# KiCad board pico_synth_sandbox.kicad_pcb (continued)
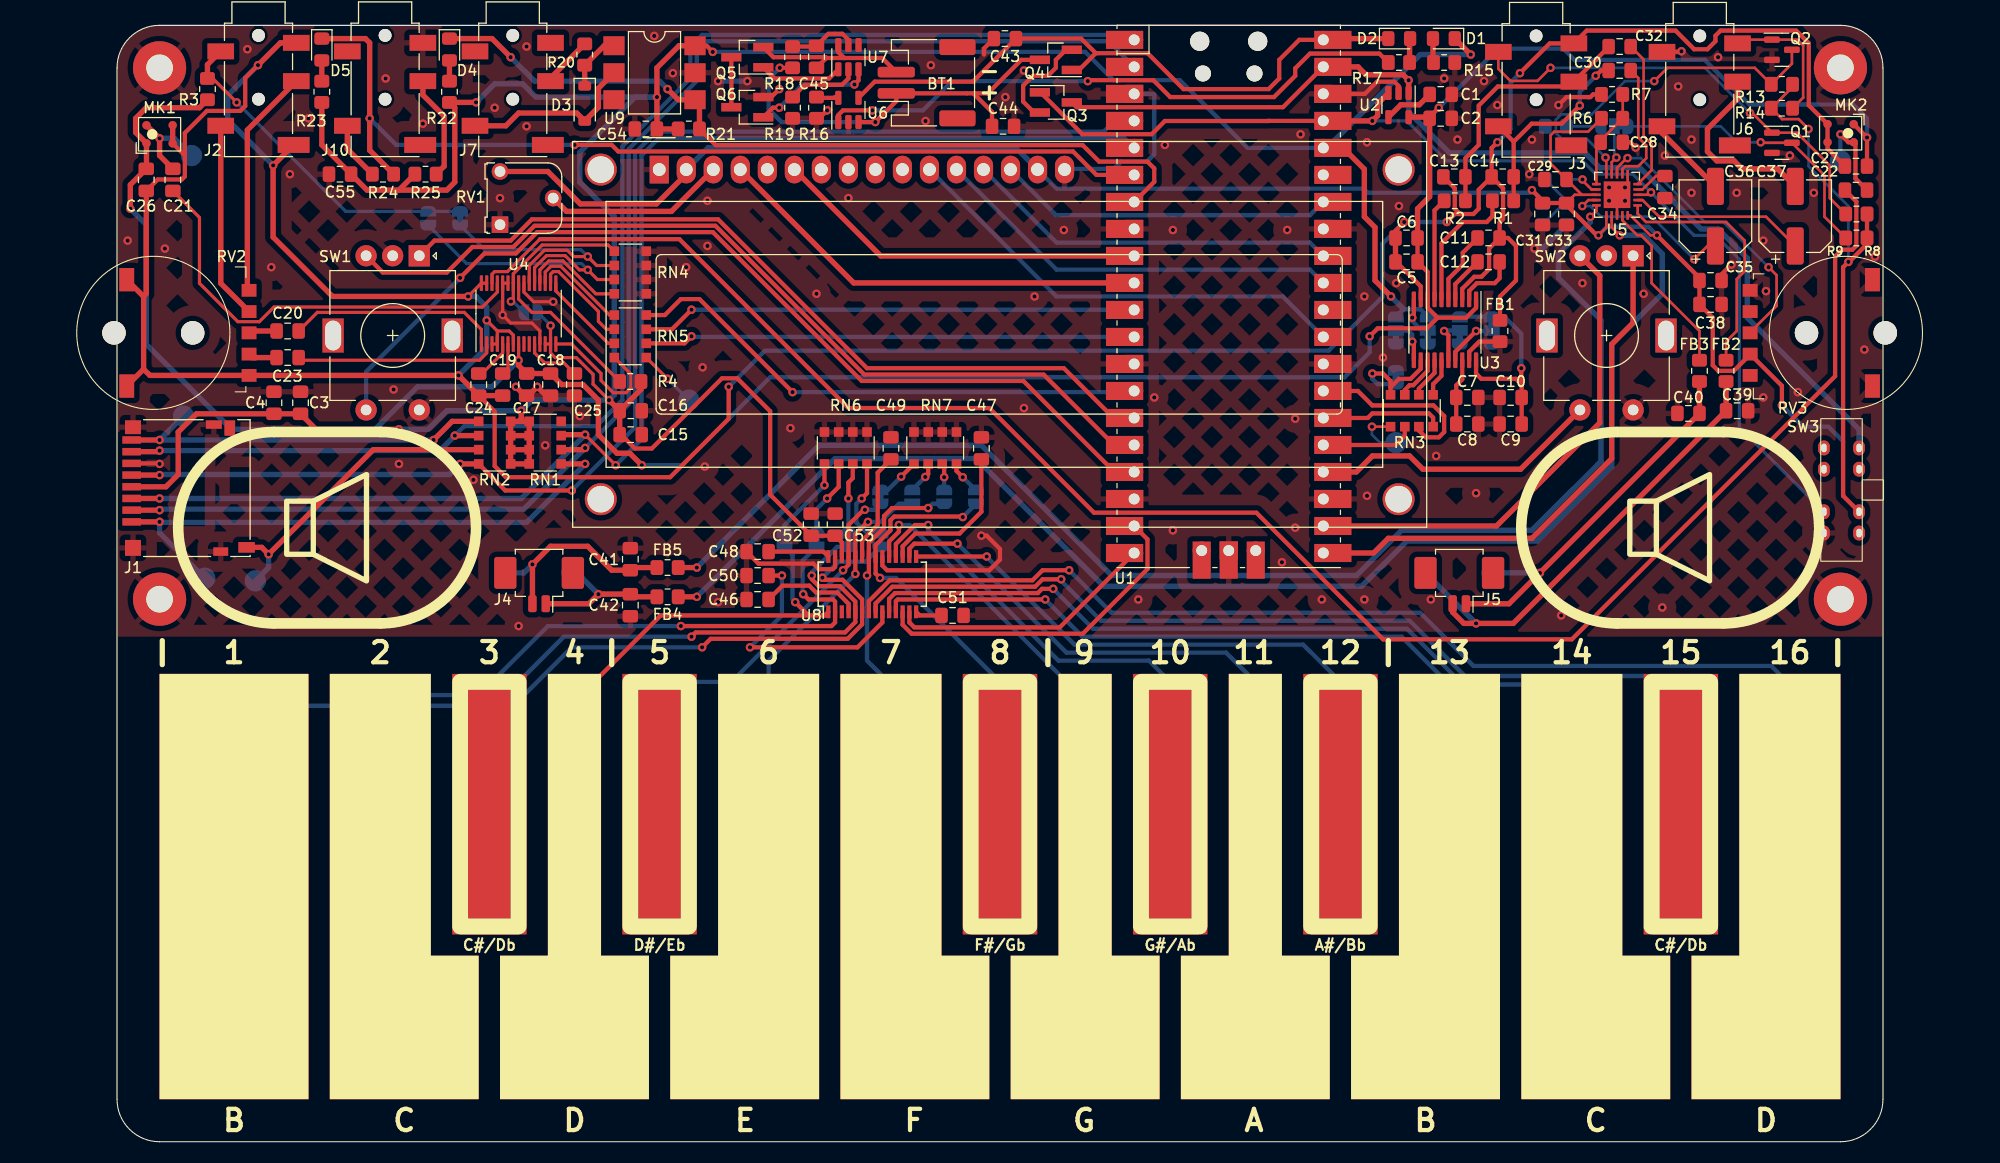
[diagram p0: board, top side]
## Routing (per net, layer and track width the routed paths; a pad name or vN(x,y) marks a point on that pad's centre or on a via; arc(x,y) is an arc through that point) (continued)
Net-(JP9-B): length 3.2
  Bottom w0.25: JP9.3 R5.1
Net-(JP10-B): length 8.6
  Top w0.4: v1(70,60.5) 70.5,61 RN6.4
  Bottom w0.4: v1(70,60.5) 69.5,60 69.5,58.25 70.5,57.25 JP10.2
Net-(JP11-B): length 6.7
  Top w0.4: v1(68.75,60.5) 68.75,62 69.16,62.41 RN6.3
  Bottom w0.4: v1(68.75,60.5) JP11.2
Net-(JP12-B): length 7.4
  Top w0.4: v1(66.75,60.5) 67.84,61.59 RN6.2
  Bottom w0.4: JP12.2 65.75,59.5 v1(66.75,60.5)
Net-(JP13-B): length 8.1
  Top w0.4: v1(66.5,61.75) RN6.1
  Bottom w0.4: JP13.2 62.75,58 v1(66.5,61.75)
Net-(JP14-B): length 4.2
  Top w0.4: v1(73.7,62.55) RN7.1
  Bottom w0.4: v1(73.7,62.55) 72.46,61.3 JP14.2
Net-(JP15-B): length 3.1
  Top w0.4: RN7.2 76.25,62.8 v1(75.97,62.53)
  Bottom w0.4: v1(75.97,62.53) JP15.2
Net-(JP16-B): length 2.5
  Top w0.4: v1(77.75,62.5) 77.75,63.57 RN7.3
  Bottom w0.4: JP16.2 v1(77.75,62.5)
Net-(JP17-B): length 3.2
  Top w0.4: v1(79.5,62.5) 78.91,63.09 RN7.4
  Bottom w0.4: v1(79.5,62.5) 80.7,61.3 JP17.2
Net-(Q1-G): length 42.7
  Top w0.25: v1(153.5,96.75) 153.71,96.75 Q1.1 157.9,94.9 161,91.8 161,88.75 R9.2 ; J3.R2 129.85,100.9 130.97,99.78 133.53,99.78 v1(134.75,101)
  Bottom w0.25: v1(134.75,101) 149.25,101 v1(153.5,96.75)
Net-(Q2-G): length 12.9
  Top w0.25: R14.2 158.5,98.2 158.5,103.1 157.95,103.65 Q2.1 152.68,103.65 J6.S
Net-(Q5-D): length 4.7
  Top w0.4: Q6.3 Q5.3
Net-(Q5-G): length 7.8
  Top w0.4: Q5.1 61.8,100 66.94,100 U7.1
Net-(Q6-G): length 11.4
  Top w0.4: U7.3 69.7,99.82 v1(69.32,99.43) ; Q6.1 61.65,97.25 v1(62.25,97.25)
  Bottom w0.4: v1(62.25,97.25) 64.43,99.43 v1(69.32,99.43)
Net-(R10-Pad2): length 6.2
  Bottom w0.25: R10.2 136,88.25 R11.1 136.25,88.5 R12.1
Net-(RN3-R1.1): length 3.6
  Top w0.4: U3.15 124.5,72.04 123.71,71.25 RN3.1
Net-(RN3-R2.1): length 3.9
  Top w0.4: U3.14 123.85,72.31 122.37,70.83 RN3.2
Net-(RN3-R3.1): length 4.3
  Top w0.4: RN3.3 121.05,70.7 121.5,71.15 121.85,71.15 123.2,72.5 U3.13
Net-(RN5-R1.1): length 9.7
  Top w0.3: RN5.1 46.3,77.75 41.71,82.34 40.79,82.34 40.25,81.8 U4.18
Net-(RN5-R2.1): length 9.7
  Top w0.3: U4.17 40.75,81.59 41,81.84 41.5,81.84 45.25,78.09 45.25,77.16 46,76.41 RN5.2
Net-(RN5-R3.1): length 8.3
  Top w0.3: U4.16 41.25,80.01 46.17,75.09 RN5.3
Net-(RN5-R4.1): length 13
  Top w0.3: U4.15 42.72,75.03 45.5,72.25 45.5,71.59 46.64,70.45 47.86,70.45 48.3,70.89 48.3,72.2 RN5.4
Net-(RN5-R4.2): length 5.7
  Top w0.3: RN5.5 v1(51.75,71.75)
  Bottom w0.3: v1(51.75,71.75) TP5.1
Net-(U2-BP): length 4.8
  Top w0.5: U2.4 120.68,97.53 122.41,97.53 C1.1
Net-(U3-CAPM): length 4.4
  Top w0.4: U3.4 125.8,80.66 C12.2
Net-(U3-CAPP): length 5.7
  Top w0.4: C12.1 129.96,81.21 129.5,80.75 127.83,80.75 127.1,80.02 U3.2
Net-(U3-OUTL): length 12.6
  Top w0.4: R1.2 129.29,87.04 128.75,86.5 126.5,86.5 124.5,84.5 U3.6
Net-(U3-OUTR): length 9.6
  Top w0.4: U3.7 123.85,87.6 R2.2
Net-(U3-VNEG): length 6.9
  Top w0.4: U3.5 125.15,81.15 126.5,82.5 126.5,83.61 C11.1
Net-(U4-LDO): length 5.4
  Top w0.3: U4.11 39.25,74.18 40.18,73.25 42,73.25 C25.1
Net-(U4-MD2): length 14.2
  Top w0.3: U4.23 37.75,79.25 39,78 40.75,78 R4.2
Net-(U4-MIC_BIAS): length 3.9
  Top w0.3: C24.1 34.32,72.25 36.25,74.18 U4.5
Net-(U4-VREF): length 3
  Top w0.3: U4.6 36.75,72.75 C19.1
Net-(U5-BYPASS): length 3.1
  Top w0.25: U5.4 143.4,89.56 144.66,90.83 C34.1
Net-(U5-HPL_OUT): length 16.7
  Top w0.25: C36.1 149.5,84.25 v1(148.25,83) ; v1(137.74,88) 138.3,88.56 U5.14
  Bottom w0.25: v1(137.74,88) 138.5,88 139.5,87 144.25,87 v1(148.25,83)
Net-(U5-HPR_OUT): length 16.6
  Top w0.25: U5.2 143.4,88.56 144.96,87 155,87 C37.1
Net-(U5-L_IN): length 12
  Top w0.25: U5.7 141.5,91.46 141.79,91.75 143,91.75 143.75,92.5 143.75,93.69 143,94.44 143,100.04 C30.2
Net-(U5-LOUT_N): length 128.2
  Top w0.25: U5.15 139.06,87.56 v1(138.49,86.99)
  Top w0.5: v1(54.5,54) FB5.2
  Bottom w0.5: v1(54.5,54) 66,65.5 81.25,65.5 93.5,53.25 116.5,53.25 120.75,57.5 133,57.5 139.5,64 139.5,77.25 135.5,81.25 135.5,83.5 138.49,86.49 v1(138.49,86.99)
Net-(U5-LOUT_P): length 131.6
  Top w0.25: U5.17 140.5,86 v1(141.25,85.25)
  Top w0.5: v1(54.5,51.25) FB4.1
  Bottom w0.5: v1(141.25,85.25) 143.5,85.25 145.25,83.5 145.25,79.75 140.5,75 140.5,63.5 133.5,56.5 121.25,56.5 117,52.25 92.75,52.25 80.75,64.25 67.5,64.25 v1(54.5,51.25)
Net-(U5-PL): length 9.3
  Top w0.25: 139.46,94.17 R6.2 R7.1 ; U5.11 139.06,93.6 C28.1
Net-(U5-R_IN): length 14.3
  Top w0.25: U5.5 144.25,91.38 144.25,93.83 143.5,94.58 143.5,101.79 C32.2
Net-(U5-ROUT_N): length 23.9
  Top w0.25: FB3.2 151.25,75.25 152.25,76.25 152.25,81.12 153,81.88 153,84.75 151.25,86.5 143.72,86.5 142.94,87.29 U5.1
Net-(U5-ROUT_P): length 16.8
  Top w0.25: FB2.1 148.75,76.25 144.25,80.75 144.25,84.25 143.25,85.25 142.91,85.25 141.5,86.66 U5.19
Net-(U5-UVP): length 3.3
  Top w0.25: v1(137.75,90.5) 137.75,90.41 138.6,89.56 U5.12
  Bottom w0.25: v1(137.75,90.5) R12.2
Net-(U5-VOLUME): length 27
  Top w0.25: v1(141.99,92.51) 141.91,92.51 141,91.6 U5.8 ; v1(155.25,82.25) 156,81.5 156,78.61 153.51,76.12 RV3.3
  Bottom w0.25: v1(155.25,82.25) 151,86.5 149.25,86.5 143.24,92.51 v1(141.99,92.51)
Net-(U6-PROG): length 2.2
  Top w0.4: U6.5 65.83,98.17 R16.1 ; 67.47,98.25 67.55,98.17
Net-(U6-STAT): length 56.8
  Top w0.4: v1(91.25,99.75) 91.34,99.84 97.41,99.84 99,98.25 108.75,98.25 110.75,100.25 110.75,100.95 112.14,102.34 118.66,102.34 R17.2 ; U6.1 67.8,96.56 68.24,97 v1(71,97)
  Bottom w0.4: v1(71,97) 75.75,97 78.5,99.75 v1(91.25,99.75)
Net-(U7-VDD): length 6.6
  Top w0.4: R18.2 65.67,103 C45.1 66.88,104.2 68.18,104.2 68.75,103.63 U7.5 ; 65.25,103.08 65.25,103.2
Net-(U7-VM): length 6.8
  Top w0.4: R19.1 64.65,99.4 68.15,99.4 68.75,100 U7.2
Net-(U8-SENADJ0): length 9.5
  Top w0.4: C46.1 62.55,52.3 65.07,52.3 65.72,51.65 67.71,51.65 68.77,50.59 U8.4
Net-(U8-SENADJ1): length 10.3
  Top w0.4: U8.23 70.04,56.54 71.5,58 71.5,62.92 C49.1
Net-(U8-SENADJ2): length 14.6
  Top w0.4: U8.17 73.85,56 75.05,57.2 79.2,57.2 81.25,59.25 C47.1
Net-(U8-SENADJ3): length 23.7
  Top w0.4: v1(59.5,46.5) 69.61,46.5 71.94,48.84 U8.9 ; v1(62.5,53.25) C50.1
  Bottom w0.4: v1(59.5,46.5) 62.49,49.49 62.49,53.24 v1(62.5,53.25)
Net-(U8-SLPSENA): length 5.8
  Top w0.4: U8.28 66.4,55.5 C48.1
Net-(U8-SLPSENB): length 2.5
  Top w0.4: C51.1 75.45,49.5 U8.14

## Copper pours and planes (outline as drawn; the poured copper is in the pictures)
GND on Top, Bottom: 0,105 166,105 166,47.5 0,47.5

## Text on the board
B.Silkscreen: MUTE_OFF | H | L | DAT1 | MIC_L | DAT2 | DET | GAIN_32 | GAIN_0 | * | FILT | SPKRL | ADC_SCK | SCK_OFF | DAC_SCK | SPKRR | MIC_R | MUTE | SKMS0 | WPSCT | SLWPTM | SKSRT | FLT | DEMP | FMT | XSMT | UVP | SKMS1 | KYSEL | SAHL | OPDEN | LINE IN | MIDI OUT | MIDI IN | PWR | LINE OUT | HEADPHONES | INPUT LEVEL | OUTPUT VOLUME | pico_synth_sandbox Rev2 / D Cooper Dalrymple 2024-01-01 / Artwork by Samantha Earley / pico-synth-sandbox.dcdalrymple.com | - | +
F.Silkscreen: C#/Db | D#/Eb | F#/Gb | G#/Ab | A#/Bb | - | + | 1 | B | 2 | C | 3 | 4 | D | 5 | E | 6 | 7 | F | 8 | 9 | G | 10 | 11 | A | 12 | 13 | 14 | 15 | 16
